# Allegro board FH8858v310_app_board_v1.1.brd (continued)
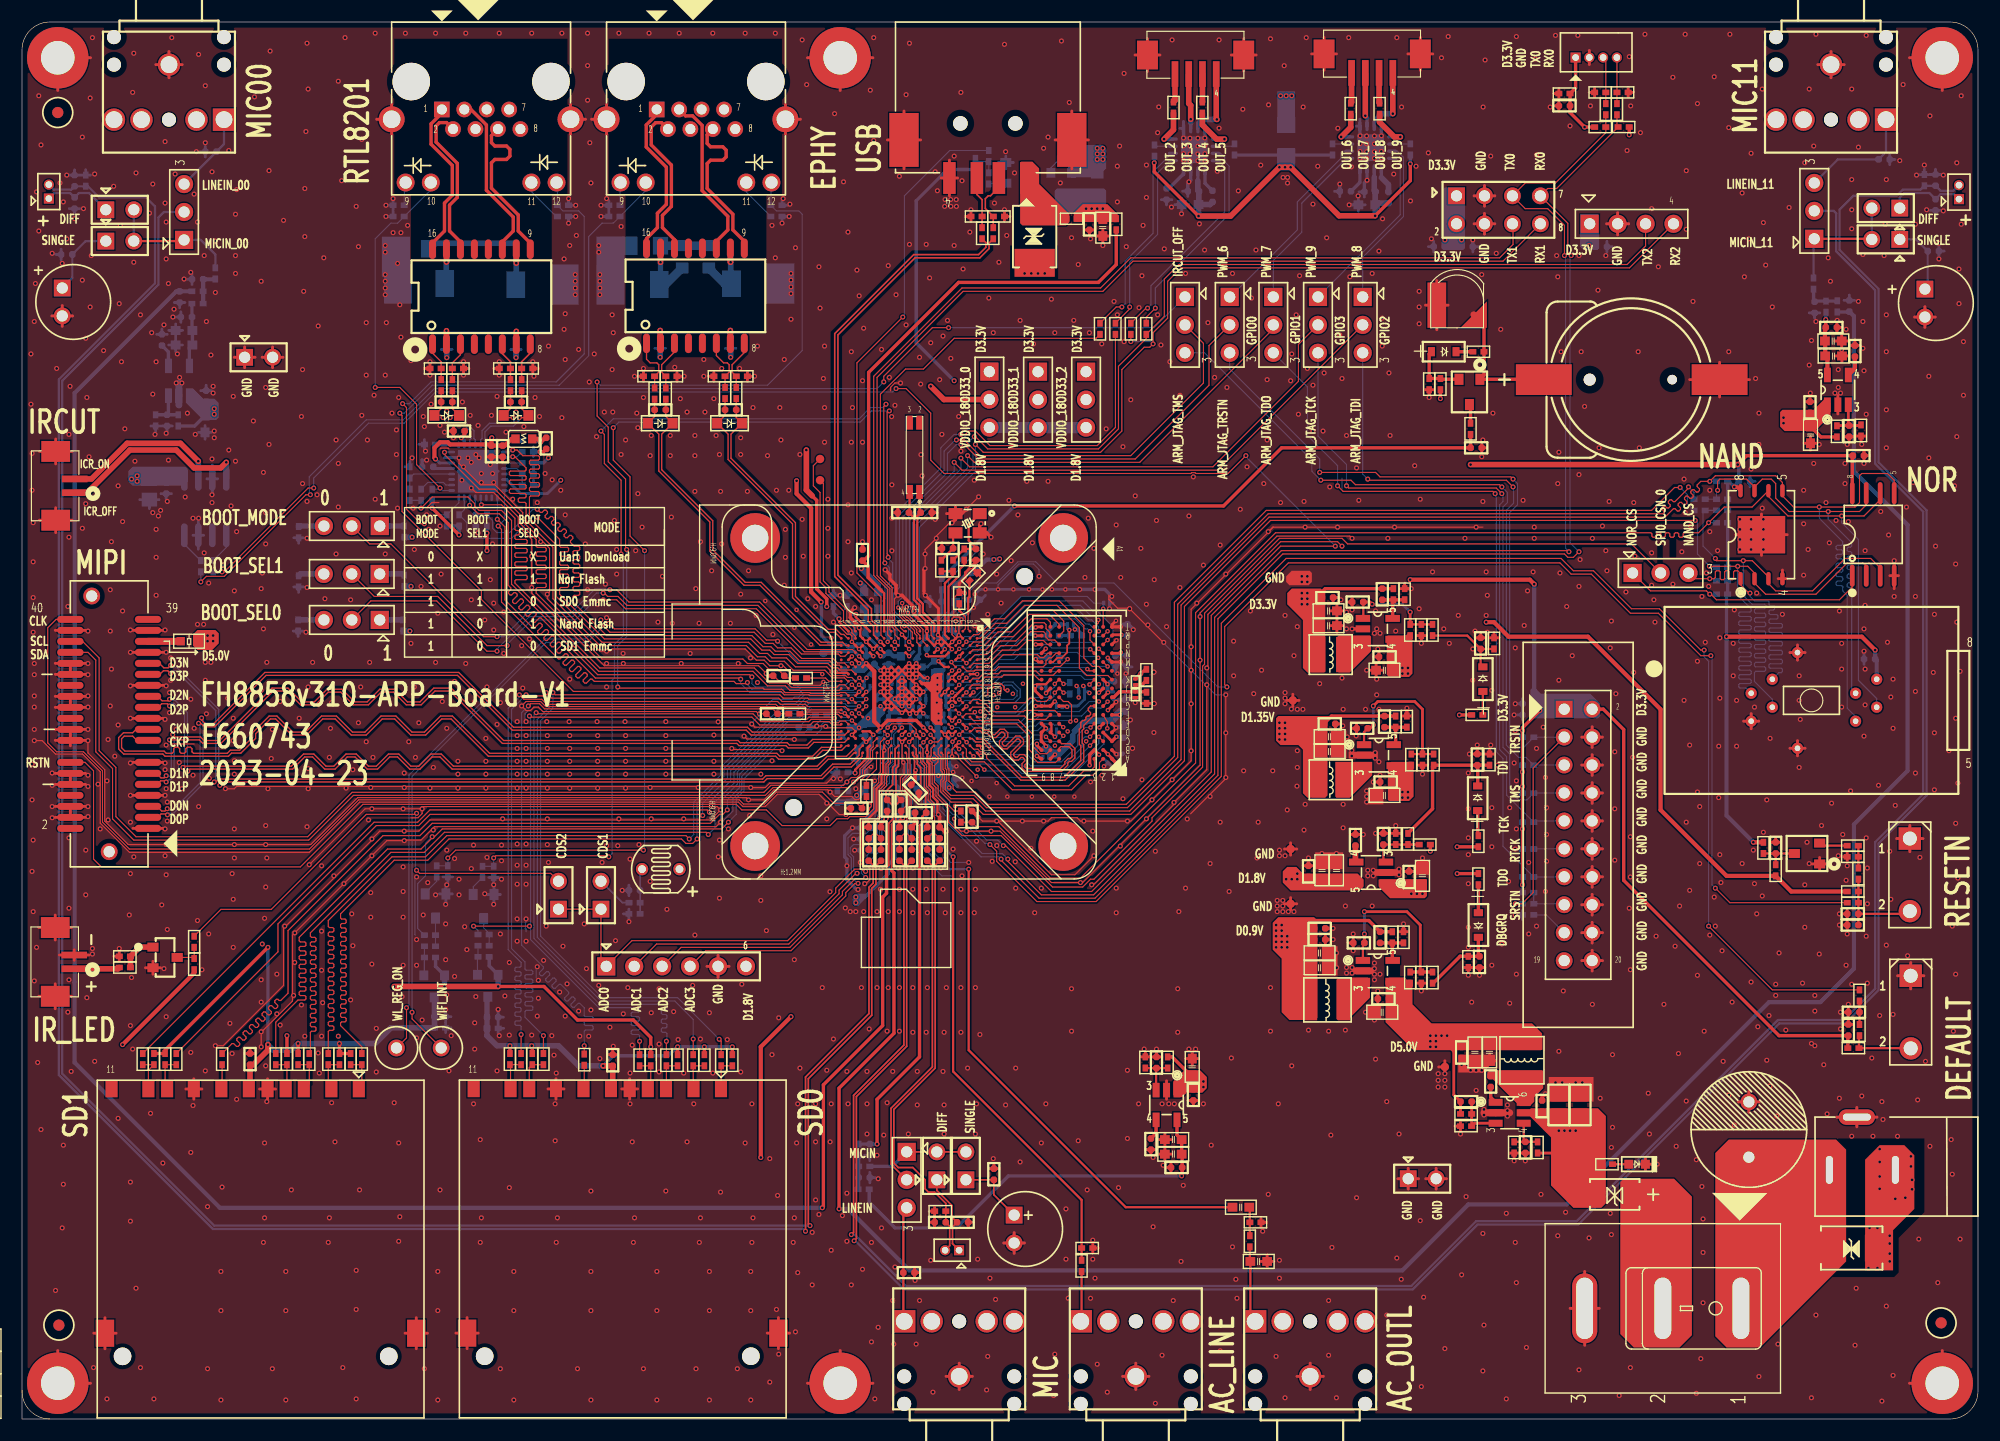
[diagram p0: board, top side]
## Copper pours and planes (outline as drawn; the poured copper is in the pictures) (continued)
N07819 on BOTTOM (solid shape): 98.55,111.66 98.55,109.93 98.35,109.73 94.89,109.73 93.88,110.74 93.88,111.66 94.08,111.86 98.35,111.86
N08066 on TOP (solid shape): 165.81,24.49 165.81,14.33 157.99,6.5 154.94,6.5 153.92,7.52 153.92,24.18 155.14,25.4 164.9,25.4
N08150 on TOP (solid shape): 151.79,20.22 151.79,7.62 150.67,6.5 146.51,6.5 145.29,7.72 145.29,21.54 145.59,21.84 150.16,21.84
N09840 on TOP (solid shape): 138.28,31.6 138.28,30.07 137.46,29.26 137.46,28.85 137.06,28.45 136.14,28.45 133.71,30.89 133.3,30.89 133.2,30.99 133.2,31.5 133.4,31.7 138.18,31.7
N12312 on TOP (solid shape): 122.63,71.12 122.63,69.8 120.7,67.87 119.68,67.87 119.48,68.07 119.48,71.02 119.68,71.22 122.53,71.22
N15383 on TOP (solid shape): 122.73,58.52 120.7,56.49 119.48,56.49 119.38,56.59 119.38,59.74 122.73,59.74
N17960 on TOP (solid shape): 122.53,39.93 122.53,38.3 120.5,36.27 119.58,36.27 119.48,36.37 119.48,39.93 119.68,40.13 122.33,40.13
D0.9V on BOTTOM (solid shape): 79.86,65.23 79.97,65.25 80.04,65.16 80.04,65.09 80.54,65.09 80.54,65.06 80.63,65.06 80.67,65.02 81.08,65.02 81.18,64.92 81.18,64.62 81.08,64.52 80.26,64.52 80.26,64.62 79.87,64.62 79.87,64.64 79.76,64.64 79.76,65.13

## Text on the board
User.Comments: 5 | 15 | 19 | 20 | 2 | 10
Ref Des/Silkscreen Top: ICR_ON | ICR_OFF | BOOT | MODE | SEL1 | SEL0 | 1 | 2 | 3 | 4 | ARTWORK BOTTOM | ARTWORK L2 | ARTWORK L3 | ARTWORK TOP | RSTN | CLK | SCL | SDA | SINGLE | DIFF | D3N | D3P | D2N | D2P | CKN | CKP | D1N | D1P | D0N | D0P | LINEIN_00 | D5.0V | MICIN_00 | 0 | X | Nor Flash | Uart Download | SD0 Emmc | Nand Flash | SD1 Emmc | LINEIN | MICIN | D0.9V | D1.8V | D1.35V | D3.3V | GND | LINEIN_11 | MICIN_11 | WL_REG_ON | WIFI_INT | CDS2 | CDS1 | ADC0 | ADC1 | ADC2 | ADC3 | VDDIO_18OD33_0 | VDDIO_18OD33_1 | VDDIO_18OD33_2 | OUT_2 | IRCUT_OFF | ARM_JTAG_TMS | OUT_3 | OUT_4 | OUT_5 | PWM_6 | ARM_JTAG_TRSTN | GPIO0 | PWM_7 | ARM_JTAG_TDO | GPIO1 | PWM_9 | ARM_JTAG_TCK | GPIO3 | OUT_6 | ARM_JTAG_TDI | PWM_8 | OUT_7 | OUT_8 | GPIO2 | OUT_9 | DBGRQ | TDI | TDO | TCK | TX0 | TX1 | TRSTN | TMS | RTCK | SRSTN | RX0 | RX1 | NOR_CS | TX2 | SPI0_CSN_0 | RX2 | NAND_CS | BOOT_SEL0 | BOOT_MODE | BOOT_SEL1 | IRCUT | IR_LED | MIPI | 2023-04-23 | FH8858v310-APP-Board-V1 | F660743 | NAND | NOR | SD1 | MIC00 | RTL8201 | SD0 | EPHY | USB | MIC | AC_LINE | AC_OUTL | MIC11 | RESETN | DEFAULT
User.9: FIGURE | SIZE | 8.0 | 10.0 | 20.0 | 24.0 | 28.0 | 36.0 | 40.0 | 44.0 | 50.0 | 60.0 | 63.0 | 95.0 | 120.0 | 52.0 | 53.0 | 62.99 | 134.0 | 100.0x25.0 | 220.0x60.0 | DRILL CHART: TOP to BOTTOM | ALL UNITS ARE IN MILS | PLATED | NON-PLATED | QTY | 279 | 2465 | 10 | 2 | 16 | 55 | 60 | 8 | 20 | 5 | 4 | 6 | 1 | 25 | 3
